# Altium PCB PCB1.PcbDoc (part 1 of 4) (continued)
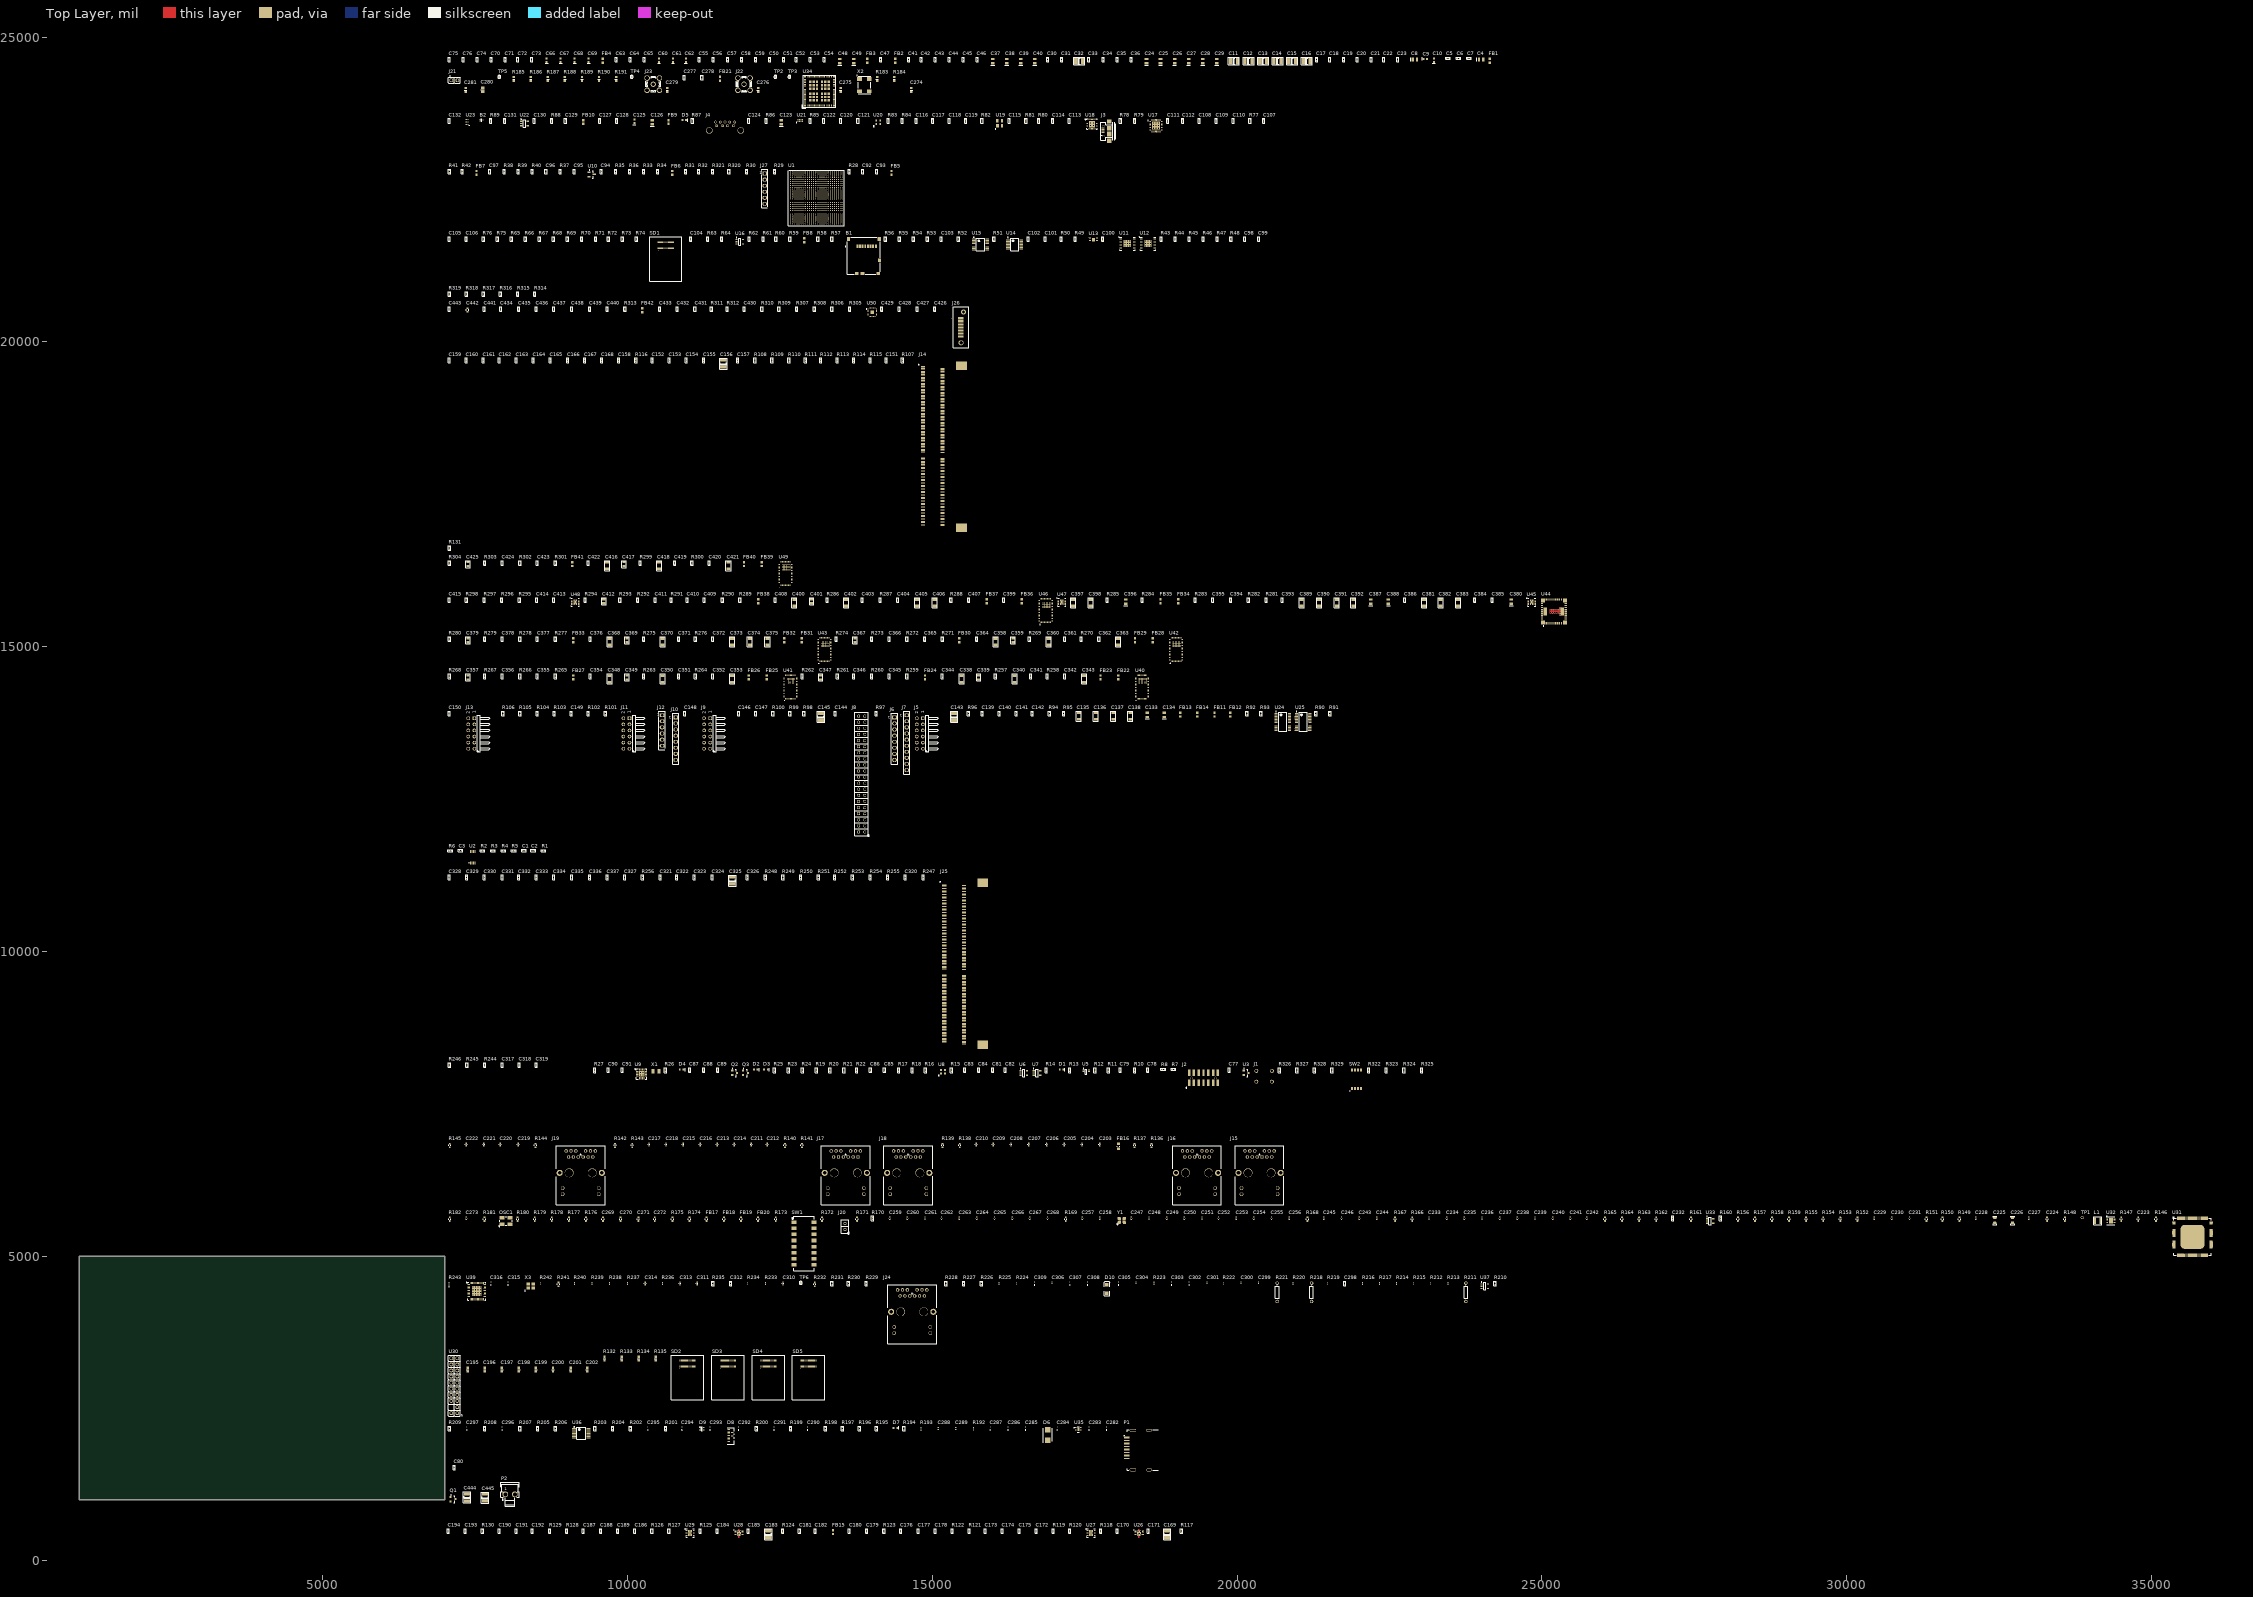
[diagram p0: Top Layer view]
## Components (designator, comment, footprint, x,y, rotation, side; value= is the part's Value field where it differs from the comment)
B1 "502570-0893" 502570-0893_1 14130,21725 r0 top
B2 "TPD2EUSB30DRTR" SOTFL35P100X50-3N 7600,23640 r0 top
C1 "100nF" CAPC1005L_0402 8300,11655 r0 top
C2 "100nF" CAPC1005L_0402 8450,11655 r0 top
C3 "DNP" CAPC1005L_0402 7260,11655 r0 top
C4 "100uF" AVX_TAN_F95_P_0905 24005,24635 r0 top
C5 "4.7uF" CAPC1005L_0402 23465,24655 r0 top
C6 "0.47uF" CAPC1005L_0402 23635,24655 r0 top
C7 "0.47uF" CAPC1005L_0402 23805,24655 r0 top
C8 "100uF" AVX_TAN_F95_P_0905 22920,24635 r0 top
C9 "47uF" AVX_TAN_F38_M_0603 23090,24645 r0 top
C10 "47uF" AVX_TAN_F38_M_0603 23230,24625 r90 top
C11 "100uF" CAPC3225N_1210 19950,24610 r0 top
C12 "100uF" CAPC3225N_1210 20190,24610 r0 top
C13 "100uF" CAPC3225N_1210 20430,24610 r0 top
C14 "100uF" CAPC3225N_1210 20665,24610 r0 top
C15 "100uF" CAPC3225N_1210 20905,24610 r0 top
C16 "100uF" CAPC3225N_1210 21145,24610 r0 top
C17 "4.7uF" CAPC1005L_0402 21305,24635 r90 top
C18 "4.7uF" CAPC1005L_0402 21525,24635 r90 top
C19 "4.7uF" CAPC1005L_0402 21750,24635 r90 top
C20 "4.7uF" CAPC1005L_0402 21970,24635 r90 top
C21 "4.7uF" CAPC1005L_0402 22200,24635 r90 top
C22 "4.7uF" CAPC1005L_0402 22410,24635 r90 top
C23 "4.7uF" CAPC1005L_0402 22640,24635 r90 top
C24 "100uF" AVX_TAN_F95_P_0905 18515,24610 r90 top
C25 "100uF" AVX_TAN_F95_P_0905 18745,24610 r90 top
C26 "100uF" AVX_TAN_F95_P_0905 18975,24610 r90 top
C27 "100uF" AVX_TAN_F95_P_0905 19205,24610 r90 top
C28 "100uF" AVX_TAN_F95_P_0905 19435,24610 r90 top
C29 "100uF" AVX_TAN_F95_P_0905 19665,24610 r90 top
C30 "4.7uF" CAPC1005L_0402 16890,24635 r90 top
C31 "4.7uF" CAPC1005L_0402 17125,24635 r90 top
C32 "220uF" CAPC3225N_1210 17410,24610 r0 top
C33 "4.7uF" CAPC1005L_0402 17570,24635 r90 top
C34 "4.7uF" CAPC1005L_0402 17805,24635 r90 top
C35 "4.7uF" CAPC1005L_0402 18035,24635 r90 top
C36 "4.7uF" CAPC1005L_0402 18265,24635 r90 top
C37 "100uF" AVX_TAN_F95_P_0905 15990,24610 r90 top
C38 "100uF" AVX_TAN_F95_P_0905 16220,24610 r90 top
C39 "100uF" AVX_TAN_F95_P_0905 16450,24610 r90 top
C40 "100uF" AVX_TAN_F95_P_0905 16680,24610 r90 top
C41 "4.7uF" CAPC1005L_0402 14610,24635 r90 top
C42 "4.7uF" CAPC1005L_0402 14820,24635 r90 top
C43 "4.7uF" CAPC1005L_0402 15050,24635 r90 top
C44 "100nF" CAPC1005L_0402 15280,24635 r90 top
C45 "100nF" CAPC1005L_0402 15510,24635 r90 top
C46 "100nF" CAPC1005L_0402 15740,24635 r90 top
C47 "4.7uF" CAPC1005L_0402 14150,24635 r90 top
C48 "100uF" AVX_TAN_F95_P_0905 13480,24610 r90 top
C49 "100uF" AVX_TAN_F95_P_0905 13710,24610 r90 top
C50 "4.7uF" CAPC1005L_0402 12330,24635 r90 top
C51 "4.7uF" CAPC1005L_0402 12560,24635 r90 top
C52 "0.47uF" CAPC1005L_0402 12770,24635 r90 top
C53 "100nF" CAPC1005L_0402 13000,24635 r90 top
C54 "4.7uF" CAPC1005L_0402 13230,24635 r90 top
C55 "4.7uF" CAPC1005L_0402 11175,24635 r90 top
C56 "1uF" CAPC1005L_0402 11405,24635 r90 top
C57 "0.47uF" CAPC1005L_0402 11640,24635 r90 top
C58 "0.47uF" CAPC1005L_0402 11870,24635 r90 top
C59 "100nF" CAPC1005L_0402 12100,24635 r90 top
C60 "47uF" AVX_TAN_F38_M_0603 10515,24625 r90 top
C61 "47uF" AVX_TAN_F38_M_0603 10745,24625 r90 top
C62 "47uF" AVX_TAN_F38_M_0603 10955,24625 r90 top
C63 "4.7uF" CAPC1005L_0402 9815,24635 r90 top
C64 "4.7uF" CAPC1005L_0402 10045,24635 r90 top
C65 "4.7uF" CAPC1005L_0402 10275,24635 r90 top
C66 "47uF" AVX_TAN_F38_M_0603 8670,24625 r90 top
C67 "47uF" AVX_TAN_F38_M_0603 8900,24625 r90 top
C68 "47uF" AVX_TAN_F38_M_0603 9130,24625 r90 top
C69 "47uF" AVX_TAN_F38_M_0603 9360,24625 r90 top
C70 "4.7uF" CAPC1005L_0402 7760,24635 r90 top
C71 "4.7uF" CAPC1005L_0402 7990,24635 r90 top
C72 "4.7uF" CAPC1005L_0402 8200,24635 r90 top
C73 "4.7uF" CAPC1005L_0402 8430,24635 r90 top
C74 "4.7uF" CAPC1005L_0402 7530,24635 r90 top
C75 "4.7uF" CAPC1005L_0402 7070,24635 r90 top
C76 "100nF" CAPC1005L_0402 7300,24635 r90 top
C77 "100nF" CAPC1005L_0402 19875,8050 r90 top
C78 "100nF" CAPC1005L_0402 18535,8050 r90 top
C79 "27pF" CAPC1005L_0402 18085,8050 r90 top
C80 "100nF" CAPC1005L_0402 7155,1530 r90 top
C81 "100nF" CAPC1005L_0402 15990,8050 r90 top
C82 "100nF" CAPC1005L_0402 16200,8050 r90 top
C83 "100nF" CAPC1005L_0402 15530,8050 r90 top
C84 "100nF" CAPC1005L_0402 15760,8050 r90 top
C85 "100nF" CAPC1005L_0402 14215,8050 r90 top
C86 "100nF" CAPC1005L_0402 13985,8050 r90 top
C87 "100nF" CAPC1005L_0402 11020,8050 r90 top
C88 "100nF" CAPC1005L_0402 11250,8050 r90 top
C89 "100nF" CAPC1005L_0402 11480,8050 r90 top
C90 "27pF" CAPC1005L_0402 9685,8050 r90 top
C91 "27pF" CAPC1005L_0402 9915,8050 r90 top
C92 "100nF" CAPC1005L_0402 13860,22795 r90 top
C93 "0.47uF" CAPC1005L_0402 14090,22795 r90 top
C94 "100nF" CAPC1005L_0402 9570,22795 r90 top
C95 "2700pF" CAPC1005L_0402 9120,22795 r90 top
C96 "0.47uF" CAPC1005L_0402 8660,22795 r90 top
C97 "10uF" CAPC1005L_0402 7740,22795 r90 top
C98 "100nF" CAPC1005L_0402 20130,21690 r90 top
C99 "100nF" CAPC1005L_0402 20360,21690 r90 top
C100 "100nF" CAPC1005L_0402 17795,21690 r90 top
C101 "100nF" CAPC1005L_0402 16850,21690 r90 top
C102 "100nF" CAPC1005L_0402 16570,21690 r90 top
C103 "100nF" CAPC1005L_0402 15150,21690 r90 top
C104 "100nF" CAPC1005L_0402 11035,21690 r90 top
C105 "10uF" CAPC1005L_0402 7070,21690 r90 top
C106 "10uF" CAPC1005L_0402 7350,21690 r90 top
C107 "100nF" CAPC1005L_0402 20440,23630 r90 top
C108 "100nF" CAPC1005L_0402 19380,23630 r90 top
C109 "100nF" CAPC1005L_0402 19660,23630 r90 top
C110 "100nF" CAPC1005L_0402 19940,23630 r90 top
C111 "100nF" CAPC1005L_0402 18860,23630 r90 top
C112 "100nF" CAPC1005L_0402 19110,23630 r90 top
C113 "100nF" CAPC1005L_0402 17245,23630 r90 top
C114 "100nF" CAPC1005L_0402 16975,23630 r90 top
C115 "DNP" CAPC1005L_0402 16265,23630 r90 top
C116 "1uF" CAPC1005L_0402 14735,23630 r90 top
C117 "100nF" CAPC1005L_0402 15005,23630 r90 top
C118 "1uF" CAPC1005L_0402 15275,23630 r90 top
C119 "100nF" CAPC1005L_0402 15545,23630 r90 top
C120 "100nF" CAPC1005L_0402 13500,23630 r90 top
C121 "100nF" CAPC1005L_0402 13780,23630 r90 top
C122 "100nF" CAPC1005L_0402 13220,23630 r90 top
C123 "100uF" AVX_TAN_F95_P_0905 12520,23605 r90 top
C124 "100nF" CAPC1005L_0402 11990,23630 r90 top
C125 "47uF" AVX_TAN_F38_M_0603 10110,23620 r90 top
C126 "100uF" AVX_TAN_F95_P_0905 10405,23605 r90 top
C127 "4.7uF" CAPC1005L_0402 9540,23630 r90 top
C128 "100nF" CAPC1005L_0402 9820,23630 r90 top
C129 "100nF" CAPC1005L_0402 8980,23630 r90 top
C130 "100nF" CAPC1005L_0402 8470,23630 r90 top
C131 "100nF" CAPC1005L_0402 7980,23630 r90 top
C132 "100nF" CAPC1005L_0402 7070,23630 r90 top
C133 "100uF" AVX_TAN_F95_P_0905 18525,13880 r90 top
C134 "100uF" AVX_TAN_F95_P_0905 18805,13880 r90 top
C135 "47uF" CAPC3216L_1206 17405,13860 r90 top
C136 "47uF" CAPC3216L_1206 17685,13860 r90 top
C137 "47uF" CAPC3216L_1206 17970,13860 r90 top
C138 "47uF" CAPC3216L_1206 18250,13860 r90 top
C139 "100nF" CAPC1005L_0402 15820,13905 r90 top
C140 "100nF" CAPC1005L_0402 16100,13905 r90 top
C141 "100nF" CAPC1005L_0402 16380,13905 r90 top
C142 "100nF" CAPC1005L_0402 16640,13905 r90 top
C143 "100uF" CAPC3225N_1210 15360,13850 r90 top
C144 "4.7uF" CAPC1005L_0402 13405,13905 r90 top
C145 "100uF" CAPC3225N_1210 13170,13850 r90 top
C146 "4.7uF" CAPC1005L_0402 11825,13905 r90 top
C147 "4.7uF" CAPC1005L_0402 12105,13905 r90 top
C148 "4.7uF" CAPC1005L_0402 10940,13905 r90 top
C149 "4.7uF" CAPC1005L_0402 9075,13905 r90 top
C150 "4.7uF" CAPC1005L_0402 7070,13905 r90 top
C151 "100nF" CAPC1005L_0402 14245,19700 r90 top
C152 "4.7uF" CAPC1005L_0402 10405,19700 r90 top
C153 "4.7uF" CAPC1005L_0402 10685,19700 r90 top
C154 "4.7uF" CAPC1005L_0402 10965,19700 r90 top
C155 "4.7uF" CAPC1005L_0402 11245,19700 r90 top
C156 "100uF" CAPC3225N_1210 11570,19645 r90 top
C157 "100nF" CAPC1005L_0402 11805,19700 r90 top
C158 "100nF" CAPC1005L_0402 9855,19700 r90 top
C159 "100nF" CAPC1005L_0402 7070,19700 r90 top
C160 "100nF" CAPC1005L_0402 7350,19700 r90 top
C161 "100nF" CAPC1005L_0402 7630,19700 r90 top
C162 "100nF" CAPC1005L_0402 7890,19700 r90 top
C163 "100nF" CAPC1005L_0402 8170,19700 r90 top
C164 "100nF" CAPC1005L_0402 8450,19700 r90 top
C165 "100nF" CAPC1005L_0402 8730,19700 r90 top
C166 "100nF" CAPC1005L_0402 9015,19700 r90 top
C167 "100nF" CAPC1005L_0402 9295,19700 r90 top
C168 "100nF" CAPC1005L_0402 9575,19700 r90 top
C169 "100uF" CAPC3225N_1210 18855,434.69 r90 top
C170 "1000pF" CAPC1005L_0402 18035,489.69 r90 top
C171 "4.7uF" CAPC1005L_0402 18545,489.69 r90 top
C172 "1uF" CAPC1005L_0402 16705,489.69 r90 top
C173 "4.7uF" CAPC1005L_0402 15865,489.69 r90 top
C174 "10uF" CAPC1005L_0402 16145,489.69 r90 top
C175 "10uF" CAPC1005L_0402 16425,489.69 r90 top
C176 "10uF" CAPC1005L_0402 14480,489.69 r90 top
C177 "10uF" CAPC1005L_0402 14765,489.69 r90 top
C178 "10uF" CAPC1005L_0402 15045,489.69 r90 top
C179 "22nF" CAPC1005L_0402 13920,489.69 r90 top
C180 "100nF" CAPC1005L_0402 13640,489.69 r90 top
C181 "4.7uF" CAPC1005L_0402 12820,489.69 r90 top
C182 "4.7uF" CAPC1005L_0402 13080,489.69 r90 top
C183 "100uF" CAPC3225N_1210 12310,434.69 r90 top
C184 "1000pF" CAPC1005L_0402 11470,489.69 r90 top
C185 "4.7uF" CAPC1005L_0402 11980,489.69 r90 top
C186 "1uF" CAPC1005L_0402 10120,489.69 r90 top
C187 "4.7uF" CAPC1005L_0402 9275,489.69 r90 top
C188 "10uF" CAPC1005L_0402 9555,489.69 r90 top
C189 "10uF" CAPC1005L_0402 9835,489.69 r90 top
C190 "10uF" CAPC1005L_0402 7895,489.69 r90 top
C191 "10uF" CAPC1005L_0402 8175,489.69 r90 top
C192 "10uF" CAPC1005L_0402 8435,489.69 r90 top
C193 "22nF" CAPC1005L_0402 7335,489.69 r90 top
C194 "100nF" CAPC1005L_0402 7055,489.69 r90 top
C195 "100nF" CAPC1608X87N 7375,3135 r90 top
C196 "10nF" CAPC1608X87N 7655,3135 r90 top
C197 "100nF" CAPC1608X87N 7935,3135 r90 top
C198 "10nF" CAPC1608X87N 8215,3135 r90 top
C199 "100nF" CAPC1608X87N 8495,3135 r90 top
C200 "10nF" CAPC1608X87N 8775,3135 r90 top
C201 "100nF" CAPC1608X87N 9065,3135 r90 top
C202 "10nF" CAPC1608X87N 9335,3135 r90 top
C203 "Capacitor NP" CAP_C_0402 17745,6830 r90 top
C204 "Capacitor NP" CAP_C_0402 17455,6830 r90 top
C205 "Capacitor NP" CAP_C_0402 17165,6830 r90 top
C206 "Capacitor NP" CAP_C_0402 16875,6830 r90 top
C207 "Capacitor NP" CAP_C_0402 16580,6830 r90 top
C208 "Capacitor NP" CAP_C_0402 16290,6830 r90 top
C209 "Capacitor NP" CAP_C_0402 16000,6830 r90 top
C210 "Capacitor NP" CAP_C_0402 15720,6830 r90 top
C211 "Capacitor NP" CAP_C_0402 12030,6830 r90 top
C212 "Capacitor NP" CAP_C_0402 12290,6830 r90 top
C213 "Capacitor NP" CAP_C_0402 11470,6830 r90 top
C214 "Capacitor NP" CAP_C_0402 11750,6830 r90 top
C215 "Capacitor NP" CAP_C_0402 10910,6830 r90 top
C216 "Capacitor NP" CAP_C_0402 11190,6830 r90 top
C217 "Capacitor NP" CAP_C_0402 10350,6830 r90 top
C218 "Capacitor NP" CAP_C_0402 10630,6830 r90 top
C219 "Capacitor NP" CAP_C_0402 8205,6830 r90 top
C220 "Capacitor NP" CAP_C_0402 7910,6830 r90 top
C221 "Capacitor NP" CAP_C_0402 7640,6830 r90 top
C222 "Capacitor NP" CAP_C_0402 7350,6830 r90 top
C223 "Capacitor NP" CAP_C_0603 34790,5605 r90 top
C224 "Capacitor NP" CAP_C_0603 33295,5605 r90 top
C225 "Capacitor NP" CAP_C_0805 32435,5585 r90 top
C226 "Capacitor NP" CAP_C_0805 32725,5585 r90 top
C227 "Capacitor NP" CAP_C_0402 32995,5620 r90 top
C228 "Capacitor NP" CAP_C_0402 32125,5620 r90 top
C229 "Capacitor NP" CAP_C_0402 30455,5620 r90 top
C230 "Capacitor NP" CAP_C_0402 30745,5620 r90 top
C231 "Capacitor NP" CAP_C_0402 31035,5620 r90 top
C232 "100nF" CAPC1005L_0402 27150,5620 r90 top
C233 "Capacitor NP" CAP_C_0402 23150,5620 r90 top
C234 "Capacitor NP" CAP_C_0402 23440,5620 r90 top
C235 "Capacitor NP" CAP_C_0402 23730,5620 r90 top
C236 "Capacitor NP" CAP_C_0402 24020,5620 r90 top
C237 "Capacitor NP" CAP_C_0402 24310,5620 r90 top
C238 "Capacitor NP" CAP_C_0402 24600,5620 r90 top
C239 "Capacitor NP" CAP_C_0402 24890,5620 r90 top
C240 "Capacitor NP" CAP_C_0402 25180,5620 r90 top
C241 "Capacitor NP" CAP_C_0402 25470,5620 r90 top
C242 "Capacitor NP" CAP_C_0402 25740,5620 r90 top
C243 "Capacitor NP" CAP_C_0402 22005,5620 r90 top
C244 "Capacitor NP" CAP_C_0402 22295,5620 r90 top
C245 "Capacitor NP" CAP_C_0402 21425,5620 r90 top
C246 "Capacitor NP" CAP_C_0402 21715,5620 r90 top
C247 "Capacitor NP" CAP_C_0402 18265,5620 r90 top
C248 "Capacitor NP" CAP_C_0402 18555,5620 r90 top
C249 "Capacitor NP" CAP_C_0402 18845,5620 r90 top
C250 "Capacitor NP" CAP_C_0402 19135,5620 r90 top
C251 "Capacitor NP" CAP_C_0402 19425,5620 r90 top
C252 "Capacitor NP" CAP_C_0402 19695,5620 r90 top
C253 "Capacitor NP" CAP_C_0402 19985,5620 r90 top
C254 "Capacitor NP" CAP_C_0402 20275,5620 r90 top
C255 "Capacitor NP" CAP_C_0402 20565,5620 r90 top
C256 "Capacitor NP" CAP_C_0402 20855,5620 r90 top
C257 "Capacitor NP" CAP_C_0402 17460,5620 r90 top
C258 "Capacitor NP" CAP_C_0402 17750,5620 r90 top
C259 "Capacitor NP" CAP_C_0402 14300,5620 r90 top
C260 "Capacitor NP" CAP_C_0402 14590,5620 r90 top
C261 "Capacitor NP" CAP_C_0402 14880,5620 r90 top
C262 "Capacitor NP" CAP_C_0402 15150,5620 r90 top
C263 "Capacitor NP" CAP_C_0402 15440,5620 r90 top
C264 "Capacitor NP" CAP_C_0402 15730,5620 r90 top
C265 "Capacitor NP" CAP_C_0402 16020,5620 r90 top
C266 "Capacitor NP" CAP_C_0402 16310,5620 r90 top
C267 "Capacitor NP" CAP_C_0402 16600,5620 r90 top
C268 "Capacitor NP" CAP_C_0402 16890,5620 r90 top
C269 "Capacitor NP" CAP_C_0603 9595,5605 r90 top
C270 "Capacitor NP" CAP_C_0603 9885,5605 r90 top
C271 "Capacitor NP" CAP_C_0603 10175,5605 r90 top
C272 "Capacitor NP" CAP_C_0603 10445,5605 r90 top
C273 "Capacitor NP" CAP_C_0402 7350,5620 r90 top
C274 "100nF" CAPC1608X87N 14655,24135 r90 top
C275 "1uF" CAPC1608X87N 13495,24135 r90 top
C276 "10pF" CAPC1608X87N 12140,24135 r90 top
C277 "4.7uF" CAPC1005L_0402 10925,24340 r90 top
C278 "4.7uF" CAPC1005L_0402 11220,24340 r90 top
C279 "10pF" CAPC1608X87N 10650,24135 r90 top
C280 "10uF" CAPC2012X135N 7620,24140 r90 top
C281 "1uF" CAPC1608X87N 7340,24135 r90 top
C282 "C0603X5R1E104K030BB" CAP_0603 17860,2180 r90 top
C283 "C0603X5R1E104K030BB" CAP_0603 17570,2180 r90 top
C284 "C0603X5R1E104K030BB" CAP_0603 17050,2180 r90 top
C285 "C0603X5R1E104K030BB" CAP_0603 16530,2180 r90 top
C286 "C0603X5R1E104K030BB" CAP_0603 16240,2180 r90 top
C287 "C0603X5R1E104K030BB" CAP_0603 15950,2180 r90 top
C288 "0402ZD106MAT2A" "CAP 0402ZD106" 15095,2170 r90 top
C289 "0402ZD106MAT2A" "CAP 0402ZD106" 15385,2170 r90 top
C290 "C0603X5R1E104K030BB" CAP_0603 12950,2180 r90 top
C291 "C0603X5R1E104K030BB" CAP_0603 12400,2180 r90 top
C292 "C0603X5R1E104K030BB" CAP_0603 11820,2180 r90 top
C293 "C0603X5R1E104K030BB" CAP_0603 11350,2180 r90 top
C294 "C0603X5R1E104K030BB" CAP_0603 10890,2180 r90 top
C295 "C0603X5R1E104K030BB" CAP_0603 10330,2180 r90 top
C296 "C0603X5R1E104K030BB" CAP_0603 7940,2180 r90 top
C297 "C0603X5R1E104K030BB" CAP_0603 7360,2180 r90 top
C298 "100nF" CAPC1005L_0402 21770,4550 r90 top
C299 "GRM033R61A225KE47D" CAPC0603X33N 20355,4560 r90 top
C300 "GRM033R61A225KE47D" CAPC0603X33N 20065,4560 r90 top
C301 "GRM033R61A225KE47D" CAPC0603X33N 19505,4560 r90 top
C302 "C0603X5R1E104K030BB" CAP_0603 19215,4560 r90 top
C303 "C0603X5R1E104K030BB" CAP_0603 18925,4560 r90 top
C304 "GRM033R61A225KE47D" CAPC0603X33N 18345,4560 r90 top
C305 "C0603X5R1E104K030BB" CAP_0603 18055,4560 r90 top
C306 "GRM033R61A225KE47D" CAPC0603X33N 16965,4560 r90 top
C307 "C0603X5R1E104K030BB" CAP_0603 17255,4560 r90 top
C308 "C0603X5R1E104K030BB" CAP_0603 17545,4560 r90 top
C309 "C0603X5R1E104K030BB" CAP_0603 16675,4560 r90 top
C310 "Capacitor NP" CAP_C_0402 12550,4550 r90 top
C311 "Capacitor NP" CAP_C_0402 11140,4550 r90 top
C312 "100nF" CAPC1005L_0402 11690,4550 r90 top
C313 "Capacitor NP" CAP_C_0402 10860,4550 r90 top
C314 "Capacitor NP" CAP_C_0402 10290,4550 r90 top
C315 "C0603X5R1E104K030BB" CAP_0603 8035,4560 r90 top
C316 "C0603X5R1E104K030BB" CAP_0603 7755,4560 r90 top
C317 "100nF" CAPC1005L_0402 7940,8135 r90 top
C318 "100nF" CAPC1005L_0402 8220,8135 r90 top
C319 "100nF" CAPC1005L_0402 8500,8135 r90 top
C320 "100nF" CAPC1005L_0402 14555,11215 r90 top
C321 "4.7uF" CAPC1005L_0402 10535,11215 r90 top
C322 "4.7uF" CAPC1005L_0402 10805,11215 r90 top
C323 "4.7uF" CAPC1005L_0402 11095,11215 r90 top
C324 "4.7uF" CAPC1005L_0402 11385,11215 r90 top
C325 "100uF" CAPC3225N_1210 11720,11160 r90 top
C326 "100nF" CAPC1005L_0402 11965,11215 r90 top
C327 "100nF" CAPC1005L_0402 9955,11215 r90 top
C328 "100nF" CAPC1005L_0402 7070,11215 r90 top
C329 "100nF" CAPC1005L_0402 7360,11215 r90 top
C330 "100nF" CAPC1005L_0402 7650,11215 r90 top
C331 "100nF" CAPC1005L_0402 7940,11215 r90 top
C332 "100nF" CAPC1005L_0402 8210,11215 r90 top
C333 "100nF" CAPC1005L_0402 8500,11215 r90 top
C334 "100nF" CAPC1005L_0402 8790,11215 r90 top
C335 "100nF" CAPC1005L_0402 9085,11215 r90 top
C336 "100nF" CAPC1005L_0402 9375,11215 r90 top
C337 "100nF" CAPC1005L_0402 9665,11215 r90 top
C338 "47uF" CAPC3216L_1206 15480,14470 r90 top
C339 "47nF" CAPC2012L_0805 15760,14495 r90 top
C340 "47uF" CAPC3216L_1206 16350,14470 r90 top
C341 "10uF" CAPC1005L_0402 16615,14515 r90 top
C342 "27pF" CAPC1005L_0402 17175,14515 r90 top
C343 "47uF" CAPC3216L_1206 17490,14470 r90 top
C344 "100nF" CAPC1005L_0402 15165,14515 r90 top
C345 "100nF" CAPC1005L_0402 14295,14515 r90 top
C346 "100nF" CAPC1005L_0402 13710,14515 r90 top
C347 "47nF" CAPC2012L_0805 13170,14495 r90 top
C348 "47uF" CAPC3216L_1206 9705,14470 r90 top
C349 "47nF" CAPC2012L_0805 9990,14495 r90 top
C350 "47uF" CAPC3216L_1206 10575,14470 r90 top
C351 "10uF" CAPC1005L_0402 10840,14515 r90 top
C352 "27pF" CAPC1005L_0402 11400,14515 r90 top
C353 "47uF" CAPC3216L_1206 11715,14470 r90 top
C354 "100nF" CAPC1005L_0402 9390,14515 r90 top
C355 "100nF" CAPC1005L_0402 8520,14515 r90 top
C356 "100nF" CAPC1005L_0402 7940,14515 r90 top
C357 "47nF" CAPC2012L_0805 7380,14495 r90 top
C358 "47uF" CAPC3216L_1206 16040,15080 r90 top
C359 "47nF" CAPC2012L_0805 16325,15105 r90 top
C360 "47uF" CAPC3216L_1206 16910,15080 r90 top
C361 "10uF" CAPC1005L_0402 17175,15125 r90 top
C362 "27pF" CAPC1005L_0402 17735,15125 r90 top
C363 "47uF" CAPC3216L_1206 18050,15080 r90 top
C364 "100nF" CAPC1005L_0402 15725,15125 r90 top
C365 "100nF" CAPC1005L_0402 14875,15125 r90 top
C366 "100nF" CAPC1005L_0402 14295,15125 r90 top
C367 "47nF" CAPC2012L_0805 13730,15105 r90 top
C368 "47uF" CAPC3216L_1206 9705,15080 r90 top
C369 "47nF" CAPC2012L_0805 9990,15105 r90 top
C370 "47uF" CAPC3216L_1206 10575,15080 r90 top
C371 "10uF" CAPC1005L_0402 10840,15125 r90 top
C372 "27pF" CAPC1005L_0402 11400,15125 r90 top
C373 "47uF" CAPC3216L_1206 11715,15080 r90 top
C374 "47uF" CAPC3216L_1206 12005,15080 r90 top
C375 "47uF" CAPC3216L_1206 12295,15080 r90 top
C376 "100nF" CAPC1005L_0402 9390,15125 r90 top
C377 "100nF" CAPC1005L_0402 8520,15125 r90 top
C378 "100nF" CAPC1005L_0402 7940,15125 r90 top
C379 "47nF" CAPC2012L_0805 7380,15105 r90 top
C380 "100uF" AVX_TAN_F95_P_0905 24500,15740 r90 top
C381 "47uF" CAPC3216L_1206 23070,15720 r90 top
C382 "47uF" CAPC3216L_1206 23340,15720 r90 top
C383 "47uF" CAPC3216L_1206 23630,15720 r90 top
C384 "100nF" CAPC1005L_0402 23900,15765 r90 top
C385 "100nF" CAPC1005L_0402 24190,15765 r90 top
C386 "1uF" CAPC1005L_0402 22755,15765 r90 top
C387 "100uF" AVX_TAN_F95_P_0905 22195,15740 r90 top
C388 "100uF" AVX_TAN_F95_P_0905 22485,15740 r90 top
C389 "47uF" CAPC3216L_1206 21060,15720 r90 top
C390 "47uF" CAPC3216L_1206 21350,15720 r90 top
C391 "47uF" CAPC3216L_1206 21640,15720 r90 top
C392 "47uF" CAPC3216L_1206 21910,15720 r90 top
C393 "4.7uF" CAPC1005L_0402 20745,15765 r90 top
C394 "22nF" CAPC1005L_0402 19895,15765 r90 top
C395 "22nF" CAPC1005L_0402 19605,15765 r90 top
C396 "100uF" AVX_TAN_F95_P_0905 18175,15740 r90 top
C397 "47uF" CAPC3216L_1206 17310,15720 r90 top
C398 "47uF" CAPC3216L_1206 17600,15720 r90 top
C399 "1uF" CAPC1005L_0402 16175,15765 r90 top
C400 "47uF" CAPC3216L_1206 12735,15720 r90 top
C401 "47nF" CAPC2012L_0805 13020,15745 r90 top
C402 "47uF" CAPC3216L_1206 13585,15720 r90 top
C403 "10uF" CAPC1005L_0402 13850,15765 r90 top
C404 "27pF" CAPC1005L_0402 14435,15765 r90 top
C405 "47uF" CAPC3216L_1206 14750,15720 r90 top
C406 "47uF" CAPC3216L_1206 15040,15720 r90 top
C407 "4.7uF" CAPC1005L_0402 15595,15765 r90 top
C408 "100nF" CAPC1005L_0402 12420,15765 r90 top
C409 "22nF" CAPC1005L_0402 11260,15765 r90 top
C410 "100nF" CAPC1005L_0402 10980,15765 r90 top
C411 "100nF" CAPC1005L_0402 10450,15765 r90 top
C412 "47nF" CAPC2012L_0805 9610,15745 r90 top
C413 "1uF" CAPC1005L_0402 8790,15765 r90 top
C414 "4.7uF" CAPC1005L_0402 8510,15765 r90 top
C415 "22nF" CAPC1005L_0402 7070,15765 r90 top
C416 "47uF" CAPC3216L_1206 9665,16330 r90 top
C417 "47nF" CAPC2012L_0805 9940,16355 r90 top
C418 "47uF" CAPC3216L_1206 10515,16330 r90 top
C419 "10uF" CAPC1005L_0402 10770,16375 r90 top
C420 "27pF" CAPC1005L_0402 11340,16375 r90 top
C421 "47uF" CAPC3216L_1206 11655,16330 r90 top
C422 "100nF" CAPC1005L_0402 9350,16375 r90 top
C423 "100nF" CAPC1005L_0402 8520,16375 r90 top
C424 "100nF" CAPC1005L_0402 7940,16375 r90 top
C425 "47nF" CAPC2012L_0805 7380,16355 r90 top
C426 "100nF" CAPC1005L_0402 15040,20540 r90 top
C427 "100nF" CAPC1005L_0402 14750,20540 r90 top
C428 "100nF" CAPC1005L_0402 14460,20540 r90 top
C429 "100nF" CAPC1005L_0402 14170,20540 r90 top
C430 "10nF" CAPC1005L_0402 11915,20540 r90 top
C431 "10nF" CAPC1005L_0402 11105,20540 r90 top
C432 "10nF" CAPC1005L_0402 10815,20540 r90 top
C433 "10nF" CAPC1005L_0402 10525,20540 r90 top
C434 "100nF" CAPC1005L_0402 7920,20540 r90 top
C435 "100nF" CAPC1005L_0402 8210,20540 r90 top
C436 "100nF" CAPC1005L_0402 8500,20540 r90 top
C437 "100nF" CAPC1005L_0402 8790,20540 r90 top
C438 "100nF" CAPC1005L_0402 9085,20540 r90 top
C439 "1uF" CAPC1005L_0402 9375,20540 r90 top
C440 "100nF" CAPC1005L_0402 9665,20540 r90 top
C441 "10nF" CAPC1005L_0402 7650,20540 r90 top
C442 "Capacitor NP" CAP_C_0603 7370,20525 r90 top
C443 "10nF" CAPC1005L_0402 7070,20540 r90 top
C444 "100uF" CAPC3225N_1210 7365,1040 r90 top
C445 "100uF" CAPC3225N_1210 7660,1035 r90 top
D1 "LED0603BLUE" LED0603BLUE 17120,8060 r0 top
D2 "LED0603RED" LED0603RED 12100,8060 r0 top
D3 "LED0603GREEN" LED0603GREEN 12270,8060 r0 top
D4 "LED0603RED" LED0603RED 10885,8060 r0 top
D5 "LED0603RED" LED0603RED 10930,23640 r0 top
D6 "MBRS240LT3G" DIOM5436X247N 16895,2065 r90 top
D7 "LED0603GREEN" LED0603GREEN 14395,2180 r0 top
D8 "TPD8S009DSMR" DSM15 11690,2045 r0 top
D9 "TPD4E001DRLR" SOTFL50P160X60-6N 11215,2165 r0 top
D10 "LED2" 3.2X1.6X1.1 17865,4460 r90 top
FB1 "BEAD0603_220_2A5_40M" INDC1608N_0603 24145,24615 r90 top
FB2 "BEAD0603_220_2A5_40M" INDC1608N_0603 14390,24615 r90 top
FB3 "BEAD0603_220_2A5_40M" INDC1608N_0603 13930,24615 r90 top
FB4 "BEAD0603_220_2A5_40M" INDC1608N_0603 9590,24615 r90 top
FB5 "BEAD0603_220_2A5_40M" INDC1608N_0603 14330,22775 r90 top
FB6 "BEAD0603_220_2A5_40M" INDC1608N_0603 10730,22775 r90 top
FB7 "BEAD0603_220_2A5_40M" INDC1608N_0603 7520,22775 r90 top
FB8 "BEAD0603_220_2A5_40M" INDC1608N_0603 12900,21670 r90 top
FB9 "BEAD0603_220_2A5_40M" INDC1608N_0603 10670,23610 r90 top
FB10 "BEAD0603_220_2A5_40M" INDC1608N_0603 9270,23610 r90 top
FB11 "BEAD0603_220_2A5_40M" INDC1608N_0603 19630,13885 r90 top
FB12 "BEAD0603_220_2A5_40M" INDC1608N_0603 19890,13885 r90 top
FB13 "BEAD0603_220_2A5_40M" INDC1608N_0603 19070,13885 r90 top
FB14 "BEAD0603_220_2A5_40M" INDC1608N_0603 19350,13885 r90 top
FB15 "BEAD0603_220_2A5_40M" INDC1608N_0603 13370,469.69 r90 top
FB16 "Ferrite Bead" IND_C_0805 18055,6800 r90 top
FB17 "Ferrite Bead" IND_C_0603 11295,5605 r90 top
FB18 "Ferrite Bead" IND_C_0603 11580,5605 r90 top
FB19 "Ferrite Bead" IND_C_0603 11860,5605 r90 top
FB20 "Ferrite Bead" IND_C_0603 12140,5605 r90 top
FB21 "BEAD0603_220_2A5_40M" INDC1608N_0603 11515,24320 r90 top
FB22 "BEAD0603_220_2A5_40M" INDC1608N_0603 18050,14495 r90 top
FB23 "BEAD0603_220_2A5_40M" INDC1608N_0603 17760,14495 r90 top
FB24 "BEAD0603_220_2A5_40M" INDC1608N_0603 14880,14495 r90 top
FB25 "BEAD0603_220_2A5_40M" INDC1608N_0603 12280,14495 r90 top
FB26 "BEAD0603_220_2A5_40M" INDC1608N_0603 11990,14495 r90 top
FB27 "BEAD0603_220_2A5_40M" INDC1608N_0603 9110,14495 r90 top
FB28 "BEAD0603_220_2A5_40M" INDC1608N_0603 18615,15105 r90 top
FB29 "BEAD0603_220_2A5_40M" INDC1608N_0603 18325,15105 r90 top
FB30 "BEAD0603_220_2A5_40M" INDC1608N_0603 15440,15105 r90 top
FB31 "BEAD0603_220_2A5_40M" INDC1608N_0603 12860,15105 r90 top
FB32 "BEAD0603_220_2A5_40M" INDC1608N_0603 12570,15105 r90 top
FB33 "BEAD0603_220_2A5_40M" INDC1608N_0603 9110,15105 r90 top
FB34 "BEAD0603_220_2A5_40M" INDC1608N_0603 19035,15745 r90 top
FB35 "BEAD0603_220_2A5_40M" INDC1608N_0603 18745,15745 r90 top
FB36 "BEAD0603_220_2A5_40M" INDC1608N_0603 16470,15745 r90 top
FB37 "BEAD0603_220_2A5_40M" INDC1608N_0603 15890,15745 r90 top
FB38 "BEAD0603_220_2A5_40M" INDC1608N_0603 12140,15745 r90 top
FB39 "BEAD0603_220_2A5_40M" INDC1608N_0603 12200,16355 r90 top
FB40 "BEAD0603_220_2A5_40M" INDC1608N_0603 11910,16355 r90 top
FB41 "BEAD0603_220_2A5_40M" INDC1608N_0603 9090,16355 r90 top
FB42 "BEAD0603_220_2A5_40M" INDC1608N_0603 10240,20520 r90 top
J1 "1825910-7" PB_1825910-7 20445,7950 r0 top
J2 "0878321420" 0878321420 19450,7925 r0 top
J3 "USB_MICROB_WURTH_629105136821" USB_MICROB_WURTH_629105136821 17800,23460 r90 top
J4 "0484050003" USB30_RA_0484050003 11460,23550 r0 top
J5 "SSW-106-02-T-D-RA" HDR2X6H 14795,13575 r90 top
J6 "HDR FMALE 1x8 2.54mm" Hdr_Female_1x8_2.54mm 14380,13840 r0 top
J7 "HDR FMALE 1x10 2.54mm" Hdr_Female_1x10_2.54mm 14580,13875 r0 top
J8 "Header 2x20" HDR_M_2.54_2x20 13890,11960 r90 top
J9 "SSW-106-02-T-D-RA" HDR2X6H 11305,13575 r90 top
J10 "HDR FMALE 1x8 2.54mm" Hdr_Female_1x8_2.54mm 10790,13840 r0 top
J11 "SSW-106-02-T-D-RA" HDR2X6H 9980,13575 r90 top
J12 "HDR FMALE 1x6 2.54mm" Hdr_Female_1x6_2.54mm 10565,13875 r0 top
J13 "SSW-106-02-T-D-RA" HDR2X6H 7435,13575 r90 top
J14 "2309409-2" DDR4_SODIMM_MATING 14845,19595 r90 top
J15 "RJ45 Magjack" CON_MODULAR_RJ45_TH_RA_RJMG2012211A0FR 20370,6665 r0 top
J16 "RJ45 Magjack" CON_MODULAR_RJ45_TH_RA_RJMG2012211A0FR 19345,6665 r0 top
J17 "RJ45 Magjack" CON_MODULAR_RJ45_TH_RA_RJMG2012211A0FR 13580,6665 r0 top
J18 "RJ45 Magjack" CON_MODULAR_RJ45_TH_RA_RJMG2012211A0FR 14605,6665 r0 top
J19 "RJ45 Magjack" CON_MODULAR_RJ45_TH_RA_RJMG2012211A0FR 9230,6665 r0 top
J20 "HDR-2.54 Male 1x2" HDR_M_2.54_1x2 13565,5435 r90 top
J21 "Test Point" COMATEL_385.0358.1.02.400 7105,24295 r0 top
J22 "Coax_1Female_1Shield" "HUBER-SUHNER_82 SMA-50-0-41/133 NE" 11910,24230 r0 top
J23 "Coax_1Female_1Shield" "HUBER-SUHNER_82 SMA-50-0-41/133 NE" 10420,24230 r0 top
J24 "RJ45 Magjack" CON_MODULAR_RJ45_TH_RA_RJMG2012211A0FR 14670,4385 r0 top
J25 "2309409-2" DDR4_SODIMM_MATING 15195,11110 r90 top
J26 "SATA 0678005005" "SATA HEADER" 15470,20240 r90 top
J27 "HDR FMALE 1x6 2.54mm" Hdr_Female_1x6_2.54mm 12250,22765 r0 top
L1 "Inductor" IND_TAI_NR_L3W3H1.5 34125,5580 r0 top
OSC1 "Value" OSC_5MX3M2_A 8005,5575 r0 top
P1 "DisplayPort" 8470-2-2-X 18470,1815 r90 top
P2 "KK®" MOLEX_26-60-4020 8070,1090 r0 top
Q1 "BSS138-7-F" DIODES_SOT23 7135,1010 r0 top
Q2 "BSS138-7-F" DIODES_SOT23 11755,8005 r0 top
Q3 "BSS138-7-F" DIODES_SOT23 11935,8005 r0 top
R1 "RES0402_100R_0W1_1T" RESC1005L_0402 8620,11650 r0 top
R2 "RES0402_10K_0W1_05T" RESC1005L_0402 7620,11650 r0 top
R3 "RES0402_10K_0W1_05T" RESC1005L_0402 7790,11650 r0 top
R4 "RES0402_10K_0W1_05T" RESC1005L_0402 7960,11650 r0 top
R5 "RES0402_10K_0W1_05T" RESC1005L_0402 8130,11650 r0 top
R6 "RES0402" RESC1005L_0402 7090,11650 r0 top
R7 "RES0402_100R_0W1_1T" RESC1005L_0402 18960,8065 r0 top
R8 "RES0402_4K7_0W1_1T" RESC1005L_0402 18790,8065 r0 top
R10 "RES0402_4K7_0W1_1T" RESC1005L_0402 18320,8050 r90 top
R11 "RES0402_22R_0W1_1T" RESC1005L_0402 17890,8050 r90 top
R12 "RES0402_4K7_0W1_1T" RESC1005L_0402 17670,8050 r90 top
R13 "RES0402_240R_0W1_1T" RESC1005L_0402 17255,8050 r90 top
R14 "RES0402_10K_0W1_05T" RESC1005L_0402 16870,8050 r90 top
R15 "RES0402_8K06_0W1_1T" RESC1005L_0402 15315,8050 r90 top
R16 "RES0402_4K7_0W1_1T" RESC1005L_0402 14890,8050 r90 top
R17 "RES0402_40R2_0W1_1T" RESC1005L_0402 14450,8050 r90 top
R18 "RES0402_10K_0W1_05T" RESC1005L_0402 14670,8050 r90 top
R19 "RES0402_4K7_0W1_1T" RESC1005L_0402 13100,8050 r90 top
R20 "RES0402_4K7_0W1_1T" RESC1005L_0402 13320,8050 r90 top
R21 "RES0402_10K_0W1_05T" RESC1005L_0402 13550,8050 r90 top
R22 "RES0402_10K_0W1_05T" RESC1005L_0402 13760,8050 r90 top
R23 "RES0402_240R_0W1_1T" RESC1005L_0402 12640,8050 r90 top
R24 "RES0402_240R_0W1_1T" RESC1005L_0402 12870,8050 r90 top
R25 "RES0402_240R_0W1_1T" RESC1005L_0402 12410,8050 r90 top
R26 "RES0402_10K_0W1_05T" RESC1005L_0402 10620,8050 r90 top
R27 "RES0402_4M7_0W1_5T" RESC1005L_0402 9460,8050 r90 top
R28 "RES0402_1K_0W1_1T" RESC1005L_0402 13635,22795 r90 top
R29 "RES0402" RESC1005L_0402 12415,22795 r90 top
R30 "RES0402_0R_0W1" RESC1005L_0402 11955,22795 r90 top
R31 "RES0402_4K7_0W1_1T" RESC1005L_0402 10955,22795 r90 top
R32 "RES0402" RESC1005L_0402 11165,22795 r90 top
R33 "RES0402" RESC1005L_0402 10265,22795 r90 top
R34 "RES0402" RESC1005L_0402 10495,22795 r90 top
R35 "RES0402" RESC1005L_0402 9805,22795 r90 top
R36 "RES0402_100R_0W1_1T" RESC1005L_0402 10035,22795 r90 top
R37 "RES0402_20K5_0W1_1T" RESC1005L_0402 8895,22795 r90 top
R38 "RES0402_20K5_0W1_1T" RESC1005L_0402 7975,22795 r90 top
R39 "RES0402" RESC1005L_0402 8205,22795 r90 top
R40 "RES0402_100R_0W1_1T" RESC1005L_0402 8435,22795 r90 top
R41 "RES0402" RESC1005L_0402 7075,22795 r90 top
R42 "RES0402_0R_0W1" RESC1005L_0402 7285,22795 r90 top
R43 "RES0402_4K7_0W1_1T" RESC1005L_0402 18755,21690 r90 top
R44 "RES0402_4K7_0W1_1T" RESC1005L_0402 18985,21690 r90 top
R45 "RES0402_4K7_0W1_1T" RESC1005L_0402 19215,21690 r90 top
R46 "RES0402_4K7_0W1_1T" RESC1005L_0402 19445,21690 r90 top
R47 "RES0402_4K7_0W1_1T" RESC1005L_0402 19675,21690 r90 top
R48 "RES0402_4K7_0W1_1T" RESC1005L_0402 19900,21690 r90 top
R49 "RES0402_2K_0W1_1T" RESC1005L_0402 17345,21690 r90 top
R50 "RES0402_2K_0W1_1T" RESC1005L_0402 17115,21690 r90 top
R51 "RES0402_10K_0W1_05T" RESC1005L_0402 16010,21690 r90 top
R52 "RES0402_10K_0W1_05T" RESC1005L_0402 15430,21690 r90 top
R53 "RES0402_10K_0W1_05T" RESC1005L_0402 14920,21690 r90 top
R54 "RES0402_10K_0W1_05T" RESC1005L_0402 14690,21690 r90 top
R55 "RES0402_4K7_0W1_1T" RESC1005L_0402 14460,21690 r90 top
R56 "RES0402_10K_0W1_05T" RESC1005L_0402 14230,21690 r90 top
R57 "RES0402_40R2_0W1_1T" RESC1005L_0402 13355,21690 r90 top
R58 "RES0402_0R_0W1" RESC1005L_0402 13125,21690 r90 top
R59 "RES0402_0R_0W1" RESC1005L_0402 12665,21690 r90 top
R60 "RES0402_10K_0W1_05T" RESC1005L_0402 12435,21690 r90 top
R61 "RES0402_10K_0W1_05T" RESC1005L_0402 12225,21690 r90 top
R62 "RES0402_4K7_0W1_1T" RESC1005L_0402 11995,21690 r90 top
R63 "RES0402_499R_0W1_1T" RESC1005L_0402 11315,21690 r90 top
R64 "RES0402_4K7_0W1_1T" RESC1005L_0402 11545,21690 r90 top
R65 "RES0402_47K_0W1" RESC1005L_0402 8095,21690 r90 top
R66 "RES0402_47K_0W1" RESC1005L_0402 8325,21690 r90 top
R67 "RES0402_47K_0W1" RESC1005L_0402 8555,21690 r90 top
R68 "RES0402_47K_0W1" RESC1005L_0402 8785,21690 r90 top
R69 "RES0402_47K_0W1" RESC1005L_0402 9015,21690 r90 top
R70 "RES0402_47K_0W1" RESC1005L_0402 9245,21690 r90 top
R71 "RES0402_47K_0W1" RESC1005L_0402 9475,21690 r90 top
R72 "RES0402_47K_0W1" RESC1005L_0402 9685,21690 r90 top
R73 "RES0402_47K_0W1" RESC1005L_0402 9915,21690 r90 top
R74 "RES0402_10K_0W1_05T" RESC1005L_0402 10145,21690 r90 top
R75 "RES0402_22R_0W1_1T" RESC1005L_0402 7865,21690 r90 top
R76 "RES0402" RESC1005L_0402 7635,21690 r90 top
R77 "RES0402_0R_0W1" RESC1005L_0402 20215,23630 r90 top
R78 "RES0402_24K_0W1" RESC1005L_0402 18090,23630 r90 top
R79 "RES0402_47K_0W1" RESC1005L_0402 18320,23630 r90 top
R80 "RES0402_4K7_0W1_1T" RESC1005L_0402 16745,23630 r90 top
R81 "RES0402_0R_0W1" RESC1005L_0402 16535,23630 r90 top
R82 "RES0402_40R2_0W1_1T" RESC1005L_0402 15815,23630 r90 top
R83 "RES0402_8K06_0W1_1T" RESC1005L_0402 14275,23630 r90 top
R84 "RES0402_10K_0W1_05T" RESC1005L_0402 14505,23630 r90 top
R85 "RES0402_10K_0W1_05T" RESC1005L_0402 12995,23630 r90 top
R86 "RES0402_240R_0W1_1T" RESC1005L_0402 12275,23630 r90 top
R87 "RES0402_191R_0W1_1T" RESC1005L_0402 11065,23630 r90 top
R88 "RES0402_10K_0W1_05T" RESC1005L_0402 8755,23630 r90 top
R89 "RES0402_0R_0W1" RESC1005L_0402 7755,23630 r90 top
R90 "RES0402_2K21_0W1_1T" RESC1005L_0402 21295,13905 r90 top
R91 "RES0402_2K21_0W1_1T" RESC1005L_0402 21525,13905 r90 top
R92 "RES0402_0R_0W1" RESC1005L_0402 20165,13905 r90 top
R93 "RES0402_0R_0W1" RESC1005L_0402 20395,13905 r90 top
R94 "RES0402_4K7_0W1_1T" RESC1005L_0402 16925,13905 r90 top
R95 "RES0402_4K7_0W1_1T" RESC1005L_0402 17155,13905 r90 top
R96 "RES0402_0R" RESC1005L_0402 15595,13905 r90 top
R97 "RES0402_4K7_0W1_1T" RESC1005L_0402 14080,13905 r90 top
R98 "RES0402_0R" RESC1005L_0402 12895,13905 r90 top
R99 "RES0402_0R" RESC1005L_0402 12665,13905 r90 top
R100 "RES0402_0R" RESC1005L_0402 12385,13905 r90 top
R101 "RES0402" RESC1005L_0402 9635,13905 r90 top
R102 "RES0402" RESC1005L_0402 9355,13905 r90 top
R103 "RES0402" RESC1005L_0402 8795,13905 r90 top
R104 "RES0402" RESC1005L_0402 8515,13905 r90 top
R105 "RES0402" RESC1005L_0402 8235,13905 r90 top
R106 "RES0402" RESC1005L_0402 7955,13905 r90 top
R107 "RES0402_100R_0W1_1T" RESC1005L_0402 14510,19700 r90 top
R108 "RES0402_4K7_0W1_1T" RESC1005L_0402 12090,19700 r90 top
R109 "RES0402_4K7_0W1_1T" RESC1005L_0402 12370,19700 r90 top
R110 "RES0402_4K7_0W1_1T" RESC1005L_0402 12650,19700 r90 top
R111 "RES0402_4K7_0W1_1T" RESC1005L_0402 12920,19700 r90 top
R112 "RES0402_4K7_0W1_1T" RESC1005L_0402 13170,19700 r90 top
R113 "RES0402_4K7_0W1_1T" RESC1005L_0402 13440,19700 r90 top
R114 "RES0402_4K7_0W1_1T" RESC1005L_0402 13710,19700 r90 top
R115 "RES0402_4K7_0W1_1T" RESC1005L_0402 13980,19700 r90 top
R116 "RES0402_100R_0W1_1T" RESC1005L_0402 10135,19700 r90 top
R117 "RES0402_100R_0W1_1T" RESC1005L_0402 19090,489.69 r90 top
R118 "RES0402_100R_0W1_1T" RESC1005L_0402 17765,489.69 r90 top
R119 "RES0402_100K_0W2_1T" RESC1005L_0402 16985,489.69 r90 top
R120 "RES0402_100K_0W2_1T" RESC1005L_0402 17255,489.69 r90 top
R121 "RES0402_40K2_0W1_1T" RESC1005L_0402 15605,489.69 r90 top
R122 "RES0402_10K_0W1_05T" RESC1005L_0402 15325,489.69 r90 top
R123 "RES0402_10K_0W1_05T" RESC1005L_0402 14205,489.69 r90 top
R124 "RES0402_100R_0W1_1T" RESC1005L_0402 12545,489.69 r90 top
R125 "RES0402_100R_0W1_1T" RESC1005L_0402 11190,489.69 r90 top
R126 "RES0402_100K_0W2_1T" RESC1005L_0402 10400,489.69 r90 top